# Altium PCB Pico-ESP32S3-封封装图.PcbDoc
Units mil, origin at the board's own origin, x right, y up, seen from the top; angles counter-clockwise.
Board outline 826.77 x 2007.87 mil, 2 copper layers (Top Layer, Bottom Layer); 2 components, 61 nets, 40 pads, 0 vias.
Unrouted connection lines stored in the file: 72.
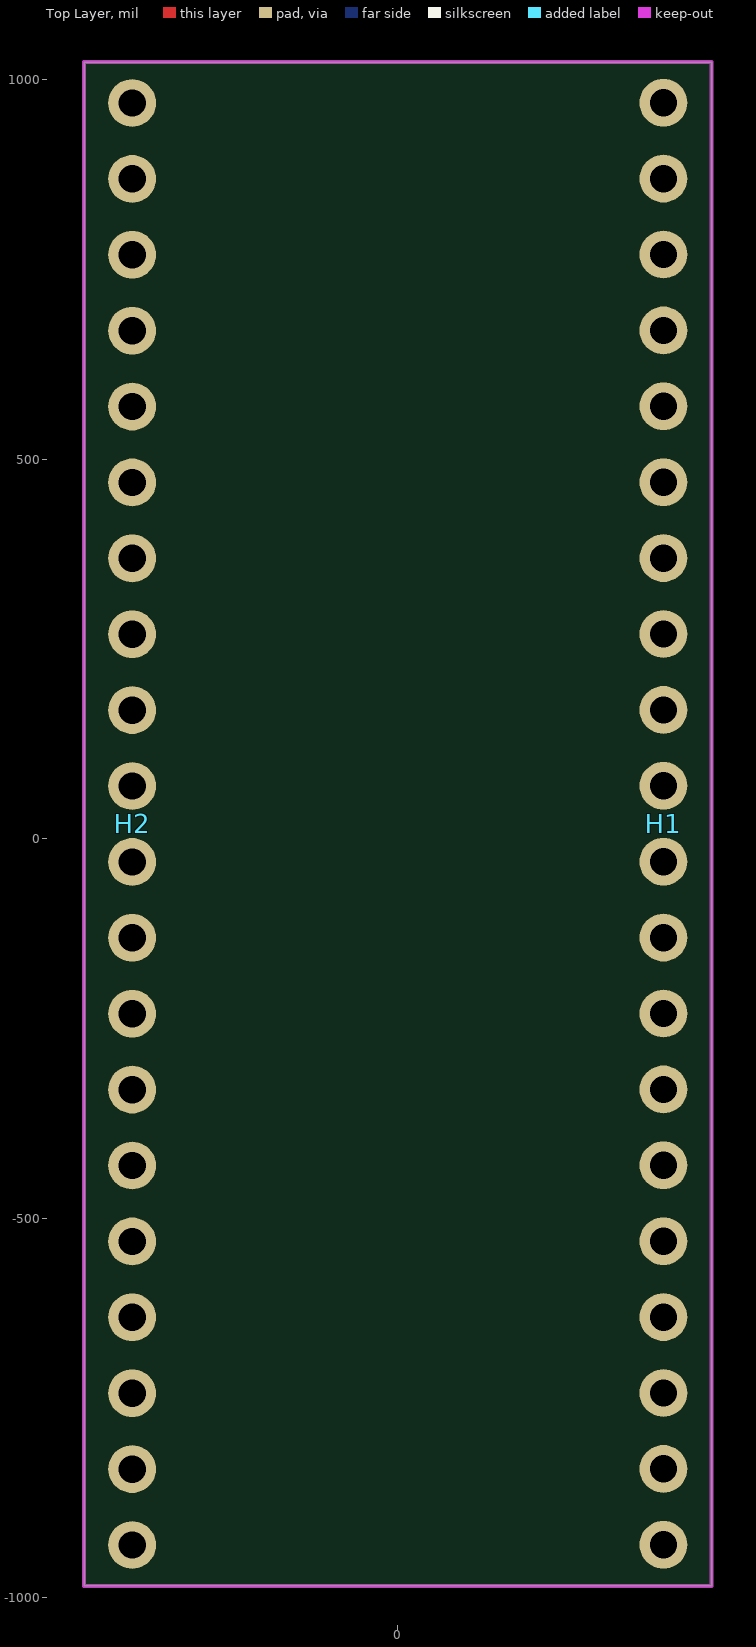
[diagram p0: Top Layer view]
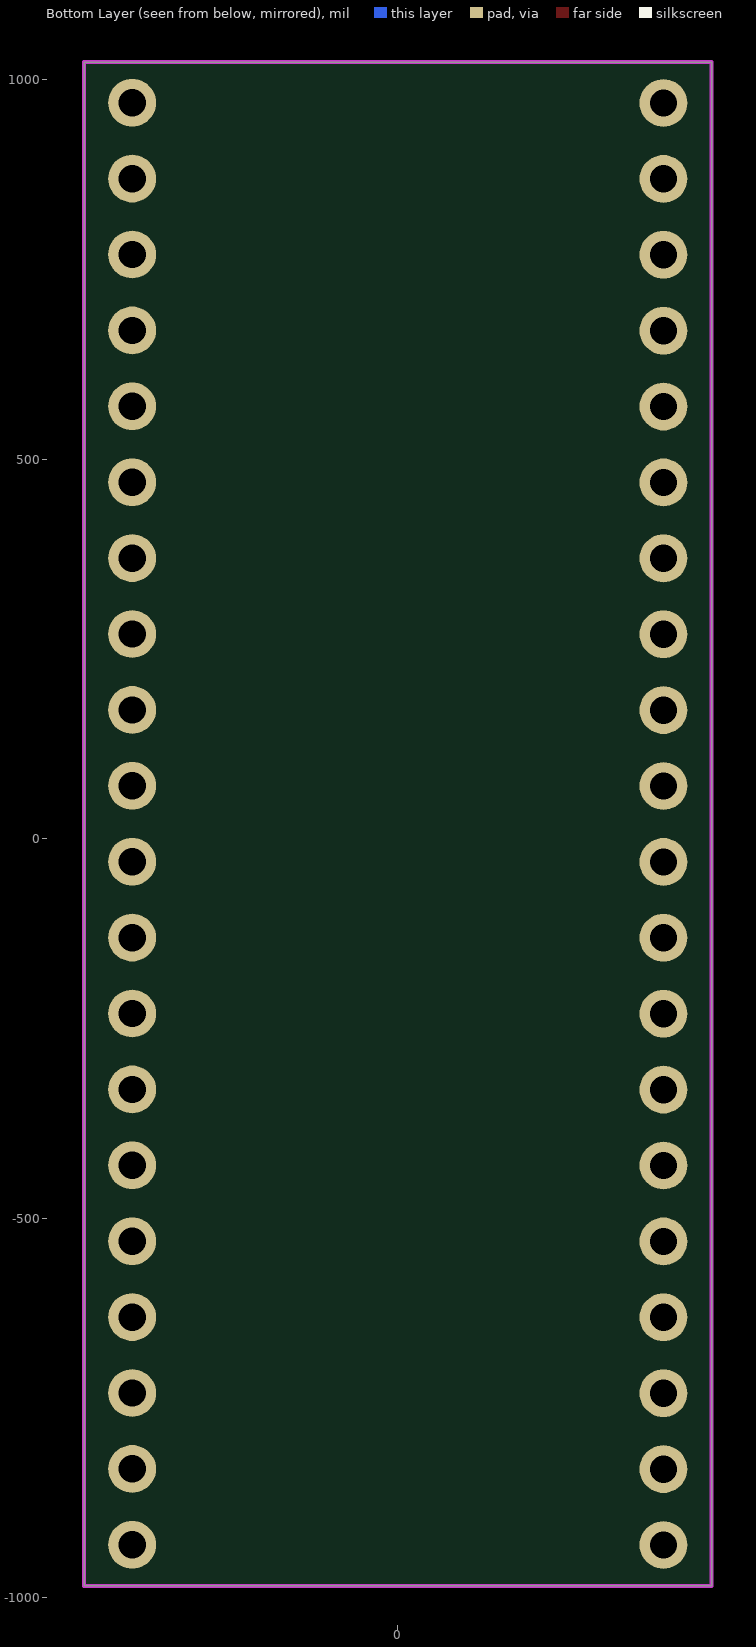
[diagram p1: Bottom Layer view, seen from below]

## Layer stack, top to bottom
Top Solder: solder mask 0.4, Solder Resist, Dk 3.5
Top Layer: signal copper 1.4
Dielectric1: dielectric 12.6, FR-4, Dk 4.8
Bottom Layer: signal copper 1.4
Bottom Solder: solder mask 0.4, Solder Resist, Dk 3.5

## Board outline
-413.38,-984.25 -413.38,1023.62 413.39,1023.62 413.39,-984.25

## Design rules (kind name [scope] priority, off if disabled: settings)
Clearance Clearance_2 [InPolygon] p1: gap=15 ignorepadtopadclearanceinfootprint=FALSE except(6: Arc-Arc Arc-Track Arc-SMDPad Track-Track Track-SMDPad SMDPad-SMDPad)
Clearance Clearance_1 [OnLayer('Keep-Out Layer')] p2: gap=10 ignorepadtopadclearanceinfootprint=FALSE except(0: Arc-Hole Track-Hole SMDPad-Hole THPad-Hole Via-Hole Fill-Hole Poly-Hole Region-Hole Text-Hole)
Clearance [All] p3: gap=6 ignorepadtopadclearanceinfootprint=FALSE except(0: Arc-Hole Track-Hole SMDPad-Hole THPad-Hole Via-Hole Fill-Hole Poly-Hole Region-Hole Text-Hole)
ComponentClearance [All] p1: gap=0 collisioncheckmode=3 verticalgap=0 showdistances=FALSE
DiffPairsRouting [All] p1: maxlimit=10 minlimit=6 mostfreqgap=6 toplayer_minwidth=6 toplayer_maxwidth=15 toplayer_prefwidth=6 bottomlayer_minwidth=6 bottomlayer_maxwidth=15 bottomlayer_prefwidth=6 maxuncoupledlength=500
HoleSize [All] p1: absolutevalues=TRUE maxlimit=200 minlimit=1 maxpercent=80.000 minpercent=20.000
HoleToHoleClearance [All] p1: gap=0 allowstackedmicrovias=TRUE
MinimumSolderMaskSliver [All] p1: minsoldermaskwidth=0.39
PolygonConnect PolygonConnect_1 [ViaSize] p1: connectstyle=Direct reliefconductorwidth=10 reliefentries=4 polygonreliefangle="90 Angle" airgapwidth=10
PolygonConnect [All] p2: connectstyle=Relief reliefconductorwidth=10 reliefentries=4 polygonreliefangle="90 Angle" airgapwidth=10
RoutingVias [All] p1: holewidth=9.84 width=19.68 viastyle="Through Hole" minholewidth=7.87 minwidth=17.72 maxholewidth=196.85 maxwidth=236.22
SilkToSilkClearance [All] p1: silktosilkclearance=0
SilkToSolderMaskClearance [IsPad] p1: minsilkscreentomaskgap=0 clearancetoexposedcopper=TRUE
SolderMaskExpansion [All] p1: expansion=4 istentingtop=FALSE
Width [All] p1: maxlimit=60 minlimit=6 preferedwidth=20
23 further rules are at their usual default settings.

## Classes and differential pairs
differential pair USBD: +USBD_P -USBD_N

## Components (designator, comment, footprint, x,y, rotation, side; value= is the part's Value field where it differs from the comment)
H1 "Header 20" "1X20 PICO HEADER" 350,20 r270 top
H2 "Header 20" "1X20 PICO HEADER" -350,19.69 r90 top

## Footprints (in the part's own frame and the unit in brackets; to place one, negate y for a bottom-side part, rotate by r counter-clockwise, add the part's x,y. Pads: shape width x height; smd on the part's side, far side on the other; paste and mask are expansions set on the pad)
"1X20 PICO HEADER" [mm]
  round 1.6 hole 0.914: 1(-24.13,0) 2(-21.59,0) 3(-19.05,0) 4(-16.51,0) 5(-13.97,0) 6(-11.43,0) 7(-8.89,0) 8(-6.35,0) 9(-3.81,0) 10(-1.27,0) 11(1.27,0) 12(3.81,0) 13(6.35,0) 14(8.89,0) 15(11.43,0) 16(13.97,0) 17(16.51,0) 18(19.05,0) 19(21.59,0) 20(24.13,0)

## Nets (pads, with @x,y where several pads share a name; then routed paths per layer and width w, separated by ;. In a path a pad name is that pad's centre, name@x,y a point inside that pad or via, vN(x,y) a via of type N, cw(c..) or ccw(c..) an arc to the next point about the centre after c; other vN are vias at no path point)
3V3: H1.5
3V3_EN: H1.4
ADC0: H1.10
ADC1: H1.9
ADC2: H1.7
BOOT: 
CC1: 
CC2: 
D+: 
D-: 
GND: H1.3 H1.8 H1.13 H1.18 H2.3 H2.8 H2.13 H2.18
GP1: 
GP2: H2.20
GP3: H2.19
GP4: H2.17
GP5: H2.16
GP9: 
GP10: H2.7
GP11: H2.6
GP12: H2.5
GP13: H2.4
GP14: H2.12
GP15: H2.11
GP16: H2.10
GP17: H2.9
GP18: 
GP21: 
GP33: 
GP34: H2.2
GP35: H2.1
GP36: H1.20
GP37: H1.19
GP38: H1.17
GP43: 
GP44: H2.14
GPIO39: H1.16
GPIO42: H1.12
I2C0_SCL: H1.14
I2C0_SDA: H1.15
LNA_IN: 
NetA1_1: 
NetMD1_1: 
NetMD2_1: 
NetPL1_1: 
NetPL1_2: 
NetPR9_1: 
RESET: H1.11
SPICLK: 
SPICS1: 
SPID: 
SPIHD: 
SPIQ: 
SPIWP: 
U0_TXD: H2.15
USBD_N: 
USBD_P: 
VBUS: H1.1
VDD_SPI: 
VSYS: H1.2
XTAL_N: 
XTAL_P: 
pads on no net: H1.6

## Keep-outs
Keep-Out Layer:
  lines w5: -413.38,-984.25 413.39,-984.25 ; -413.38,-984.25 -413.38,1023.62 ; -413.38,-984.25 413.39,-984.25 ; -413.38,1023.62 413.39,1023.62 ; -413.38,1023.62 413.39,1023.62 ; 413.39,-984.25 413.39,1023.62

## Silkscreen, mask and mechanical layers (free items; w line width, h text height)
Mechanical 13:
  lines w1: -413.38,-964.57 -413.38,1003.94 ; -393.7,1023.62 393.7,1023.62